# Altium PCB PCB2.PcbDoc (part 3 of 5)
Units mm, origin at the board's own origin, x right, y up, seen from the top; angles counter-clockwise.
Board outline 100 x 100 mm, 4 copper layers (Top Layer, Int1 (GND), Int2 (PWR), Bottom Layer), stack 1.605 mm thick; 304 components, 271 nets, 993 pads, 338 vias.
Unrouted connection lines stored in the file: 123.
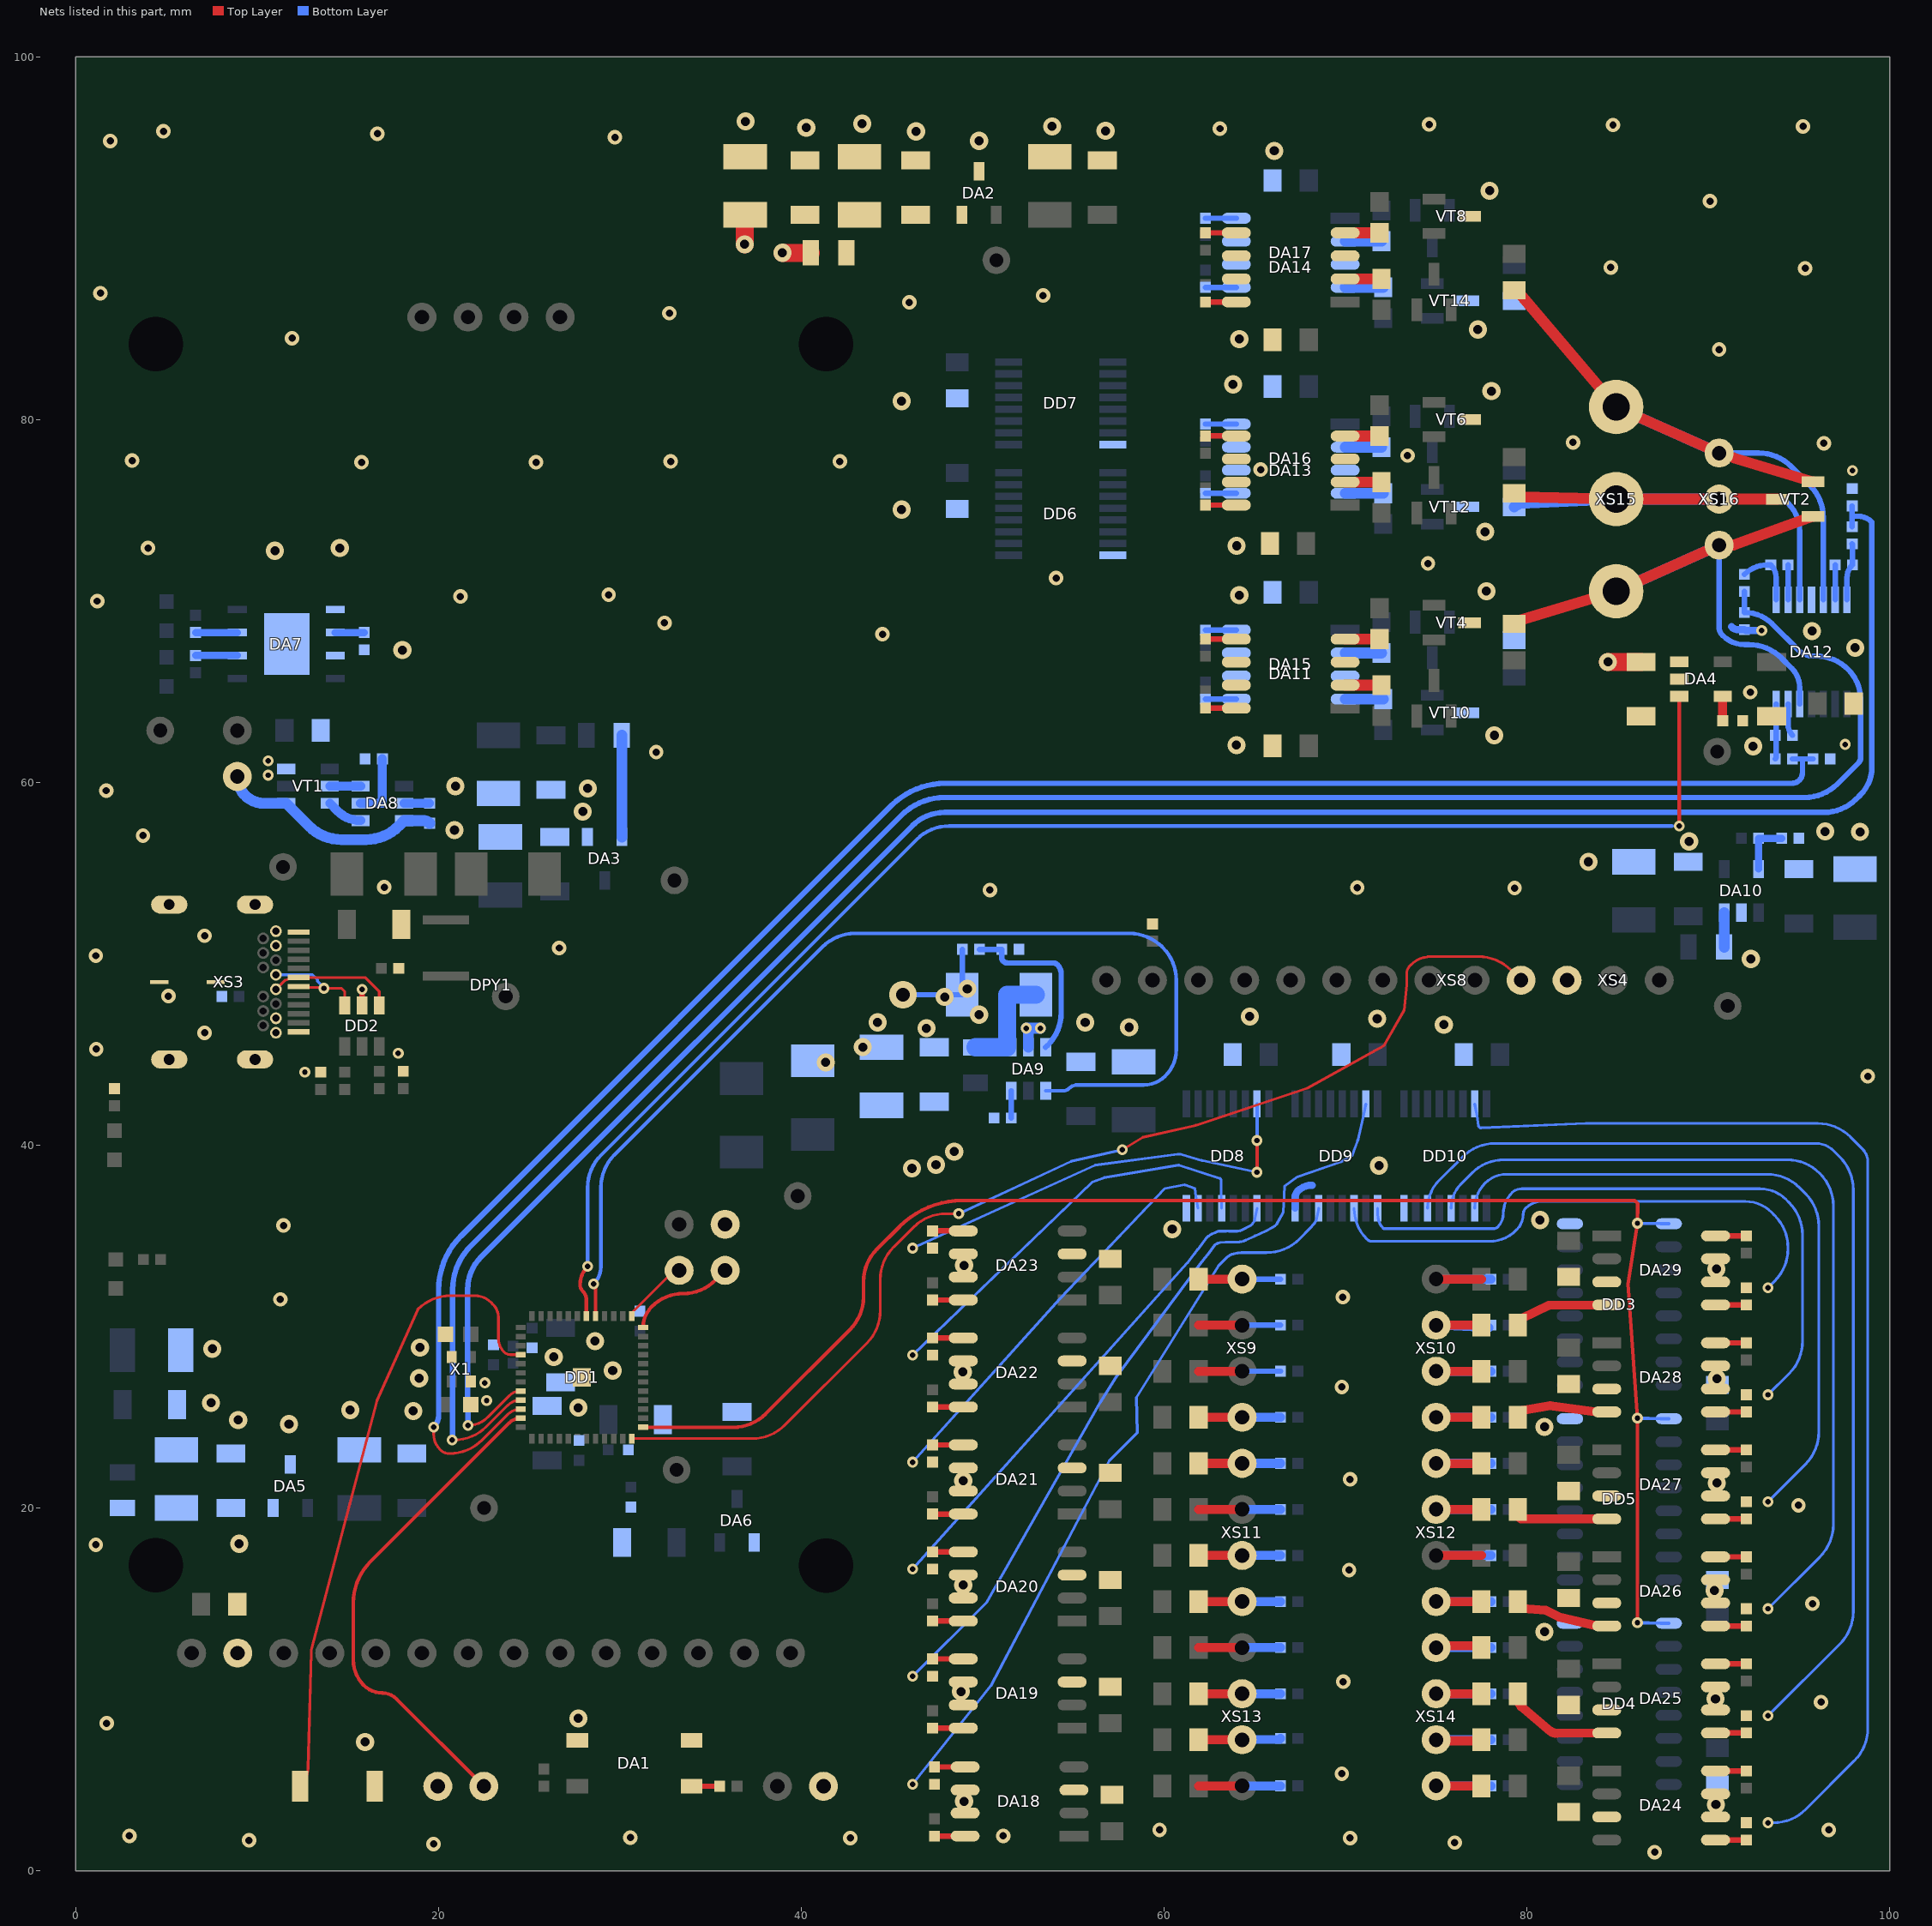
[diagram p5: the nets of this part, all layers, seen from the top]

## Via types
v1: diameter 1, hole 0.5, Top Layer to Bottom Layer, 163 vias
v2: diameter 0.6, hole 0.3, Top Layer to Bottom Layer, tented both sides, 102 vias
v3: diameter 0.8, hole 0.4, Top Layer to Bottom Layer, tented both sides, 73 vias

## Nets (pads, with @x,y where several pads share a name; then routed paths per layer and width w, separated by ;. In a path a pad name is that pad's centre, name@x,y a point inside that pad or via, vN(x,y) a via of type N, cw(c..) or ccw(c..) an arc to the next point about the centre after c; other vN are vias at no path point) (continued)
B8: DA25.4 R41.1 | length 8.2
  Top Layer w0.5: R41.1@79.435,9.431 79.685,9.056 81.308,7.69 ; DA25.4@84.406,7.595 83.906,7.595 81.634,7.573 ; 81.308,7.69 ccw(c81.63,8.073) 81.634,7.573 ; 81.308,7.69 ccw(c81.63,8.073) 81.634,7.573 ; 81.308,7.69 ccw(c81.63,8.073) 81.634,7.573 ; 81.308,7.69 ccw(c81.63,8.073) 81.634,7.573 ; 81.308,7.69 ccw(c81.63,8.073) 81.634,7.573 ; 81.308,7.69 ccw(c81.63,8.073) 81.634,7.573 ; 81.308,7.69 ccw(c81.63,8.073) 81.634,7.573 ; 81.308,7.69 ccw(c81.63,8.073) 81.634,7.573
B9: DA26.4 R37.1 | length 5.3
  Top Layer w0.5: R37.1@79.5,14.84 79.75,14.465 81.036,14.357 81.786,13.986 83.906,13.495 DA26.4@84.406,13.495
B10: DA27.4 R33.1 | length 5
  Top Layer w0.5: R33.1@79.435,19.591 79.685,19.395 DA27.4@84.406,19.395
B11: DA28.4 R29.1 | length 5.2
  Top Layer w0.5: R29.1@79.5,25 79.75,25.375 81.278,25.634 83.906,25.295 DA28.4@84.406,25.295
B12: DA29.4 R25.1 | length 5.3
  Top Layer w0.5: R25.1@79.5,30.08 79.75,30.455 81.207,31.176 83.906,31.195 DA29.4@84.406,31.195
B_IN1: DD9.6 R110.2 | length 43.3
  Bottom Layer w0.15: v2(46.135,4.771) 50.441,10.189 56.988,22.613 58.523,24.142 58.474,26.089 62.988,33.337 63.466,33.815 ; DD9.6@68.525,36.525 68.395,35.86 68.27,35.664 cw(c68.08,35.785) 68.246,35.633 68.077,35.448 67.447,34.819 ; 63.466,33.815 cw(c63.972,33.309) 63.827,34.01 ; 63.466,33.815 cw(c63.972,33.309) 63.827,34.01 ; 63.827,34.01 64.052,34.058 ; 64.052,34.058 cw(c64.083,33.911) 64.065,34.06 ccw(c64.083,33.911) 64.052,34.058 ; 64.079,34.061 ccw(c64.083,33.911) 64.066,34.06 cw(c64.083,33.911) 64.079,34.061 ; 64.079,34.061 64.081,34.061 ; 64.081,34.061 ccw(c64.03,35.785) 64.248,34.074 ; 64.081,34.061 ccw(c64.03,35.785) 64.248,34.074 ; 64.248,34.074 cw(c64.266,33.925) 64.263,34.075 ; 64.263,34.075 cw(c64.266,33.925) 64.264,34.075 ccw(c64.266,33.925) 64.263,34.075 ; 64.286,34.075 ccw(c64.286,32.48) 64.265,34.075 cw(c64.286,32.48) 64.286,34.075 ; 64.286,34.075 65.651,34.075 ; 65.651,34.075 ccw(c65.651,36.615) 67.447,34.819 ; 65.651,34.075 ccw(c65.651,36.615) 67.447,34.819
B_IN2: DD9.15 R112.2 | length 42.9
  Bottom Layer w0.15: v2(46.135,10.726) 50.21,14.786 56.475,25.825 57.353,27.204 62.058,33.539 ; 62.831,34.526 62.911,34.571 ; 63.089,34.628 63.396,34.659 cw(c63.426,34.361) 63.426,34.661 63.615,34.66 64.03,34.66 ccw(c64.03,35.785) 64.394,34.721 ; 66.126,35.549 65.651,35.286 ; 66.194,35.627 66.575,36.302 66.648,37.742 67.346,38.258 69.737,39.071 70.347,39.406 ; 70.347,39.407 70.673,40.253 ; 70.739,40.471 70.995,41.61 DD9.15@71.125,42.275 ; 62.058,33.539 cw(c63.69,32.4) 62.161,33.674 ; 62.058,33.539 cw(c63.69,32.4) 62.161,33.674 ; 62.161,33.674 62.376,33.932 ; 62.376,33.932 ccw(c61.569,34.604) 62.414,33.981 ; 62.376,33.932 ccw(c61.569,34.604) 62.414,33.981 ; 62.414,33.981 62.786,34.485 ; 62.786,34.485 cw(c62.906,34.396) 62.831,34.525 ccw(c62.906,34.396) 62.786,34.485 ; 62.911,34.571 cw(c63.134,34.18) 63.088,34.628 ccw(c63.134,34.18) 62.911,34.571 ; 64.394,34.721 ccw(c64.03,35.785) 64.502,34.764 ; 64.394,34.721 ccw(c64.03,35.785) 64.502,34.764 ; 64.502,34.764 64.506,34.765 64.999,34.995 cw(c65.127,34.723) 65.006,34.998 65.008,34.999 65.615,35.268 ; 65.615,35.268 ccw(c65.433,35.68) 65.651,35.286 ; 65.615,35.268 ccw(c65.433,35.68) 65.651,35.286 ; 70.673,40.253 ccw(c69.28,40.795) 70.739,40.47 cw(c69.28,40.795) 70.673,40.253
B_IN3: DD8.2 R114.2 | length 28.8
  Bottom Layer w0.15: v2(46.135,16.626) 61.276,33.501 61.277,33.502 ; 62.911,35.221 cw(c62.758,35.479) 62.829,35.188 ; 64.783,35.585 64.273,35.32 cw(c64.03,35.785) 64.03,35.26 63.62,35.26 cw(c63.62,35.785) 63.544,35.265 ccw(c63.5,34.969) 63.457,35.266 cw(c63.38,35.785) 63.384,35.26 63.01,35.257 ccw(c63.014,35.107) 62.938,35.237 62.912,35.222 cw(c62.758,35.479) 62.829,35.188 ; DD8.2@64.996,35.866 DD8.2@65.125,36.525 ; 61.277,33.502 ccw(c60.948,33.809) 61.305,33.536 ; 61.277,33.502 ccw(c60.948,33.809) 61.305,33.536 ; 61.305,33.536 ccw(c60.948,33.809) 61.307,33.537 61.615,33.95 ; 61.615,33.95 cw(c63.69,32.4) 61.658,34.006 ; 61.615,33.95 cw(c63.69,32.4) 61.658,34.006 ; 61.658,34.006 61.838,34.233 cw(c61.955,34.14) 61.843,34.24 61.862,34.261 ; 61.862,34.261 cw(c61.974,34.161) 61.872,34.271 ; 61.862,34.261 cw(c61.974,34.161) 61.872,34.271 ; 61.872,34.271 ccw(c61.569,34.604) 61.932,34.338 ; 61.872,34.271 ccw(c61.569,34.604) 61.932,34.338 ; 61.932,34.338 62.302,34.841 62.303,34.843 ; 62.303,34.843 cw(c62.663,34.573) 62.308,34.848 ; 62.303,34.843 cw(c62.663,34.573) 62.308,34.848 ; 62.308,34.848 62.312,34.854 ; 62.312,34.854 cw(c62.905,34.395) 62.533,35.046 ; 62.312,34.854 cw(c62.905,34.395) 62.533,35.046 ; 62.533,35.046 62.612,35.091 cw(c63.134,34.18) 62.745,35.156 62.81,35.182 ; 62.81,35.182 cw(c62.866,35.042) 62.829,35.188 ; 62.81,35.182 cw(c62.866,35.042) 62.829,35.188 ; 64.799,35.594 cw(c64.68,35.785) 64.784,35.585 ccw(c64.68,35.785) 64.799,35.594 ; 64.799,35.594 ccw(c64.68,35.785) 64.864,35.656 DD8.2@64.972,35.809 ; DD8.2@64.972,35.809 ccw(c64.849,35.895) 64.996,35.865 cw(c64.849,35.895) DD8.2@64.972,35.809
B_IN4: DD8.7 R116.2 | length 23.3
  Bottom Layer w0.15: v2(46.135,22.526) 54.274,31.549 60.04,37.613 61.132,37.817 61.708,37.608 61.745,37.19 DD8.7@61.875,36.525
B_IN5: DD8.5 R118.2 | length 22.9
  Bottom Layer w0.15: v2(46.135,28.426) 56.029,37.961 56.702,38.214 60.782,38.9 ; 60.783,38.9 cw(c60.807,38.752) 60.853,38.895 63.044,38.184 ; DD8.5@63.175,36.525 63.15,37.19 63.15,38.038 ; 63.045,38.184 cw(c62.997,38.042) 63.118,38.13 ; 63.045,38.184 cw(c62.997,38.042) 63.118,38.13 ; 63.118,38.13 63.121,38.127 ; 63.121,38.127 cw(c63,38.038) 63.15,38.038 ; 63.121,38.127 cw(c63,38.038) 63.15,38.038
B_IN6: DD8.15 R120.2 | length 26.2
  Top Layer w0.15: v2(65.125,40.26) ccw(c65.21,40.26) v2@65.15,40.2
  Top Layer w0.2: v2(65.125,38.51) v2(65.125,40.26)
  Bottom Layer w0.15: v2(46.135,34.326) 56.2,38.9 60.74,39.501 ; 62.151,39.143 v2(65.125,38.51) ; 60.74,39.501 cw(c60.818,38.906) 60.987,39.482 ; 60.74,39.501 cw(c60.818,38.906) 60.987,39.482 ; 60.74,39.501 cw(c60.818,38.906) 60.987,39.482 ; 60.74,39.501 cw(c60.818,38.906) 60.987,39.482 ; 60.74,39.501 cw(c60.818,38.906) 60.987,39.482 ; 60.74,39.501 cw(c60.818,38.906) 60.987,39.482 ; 60.74,39.501 cw(c60.818,38.906) 60.987,39.482 ; 60.74,39.501 cw(c60.818,38.906) 60.987,39.482 ; 60.987,39.482 62.088,39.159 ; 62.088,39.159 ccw(c62.325,39.968) 62.15,39.143 ; 62.088,39.159 ccw(c62.325,39.968) 62.15,39.143 ; 62.088,39.159 ccw(c62.325,39.968) 62.15,39.143 ; 62.088,39.159 ccw(c62.325,39.968) 62.15,39.143 ; 62.088,39.159 ccw(c62.325,39.968) 62.15,39.143 ; 62.088,39.159 ccw(c62.325,39.968) 62.15,39.143 ; 62.088,39.159 ccw(c62.325,39.968) 62.15,39.143 ; 62.088,39.159 ccw(c62.325,39.968) 62.15,39.143
  Bottom Layer w0.2: v2(65.125,40.26) DD8.15@65.125,42.275
B_IN7: DD10.15 R122.2 | length 70.5
  Bottom Layer w0.15: DD10.15@77.125,42.275 77.255,41.61 77.331,41.084 ccw(c77.479,41.106) 77.485,40.956 ; v2(93.3,2.645) v2@93.593,2.645 ; 77.331,41.084 ccw(c77.479,41.106) 77.485,40.956 ; 77.331,41.084 ccw(c77.479,41.106) 77.485,40.956 ; 77.331,41.084 ccw(c77.479,41.106) 77.485,40.956 ; 77.485,40.956 83.25,41.2 96.048,41.2 ; v2@93.593,2.645 ccw(c93.593,5.185) 95.389,3.389 ; v2@93.593,2.645 ccw(c93.593,5.185) 95.389,3.389 ; 95.389,3.389 98.056,6.056 ; 96.048,41.2 cw(c96.048,38.66) 97.844,40.456 ; 96.048,41.2 cw(c96.048,38.66) 97.844,40.456 ; 97.844,40.456 98.5,39.8 ; 98.056,6.056 ccw(c96.26,7.852) 98.8,7.852 ; 98.056,6.056 ccw(c96.26,7.852) 98.8,7.852 ; 98.5,39.8 cw(c97.776,39.076) 98.8,39.076 ; 98.5,39.8 cw(c97.776,39.076) 98.8,39.076 ; 98.8,7.852 98.8,39.076
B_IN8: DD10.6 R124.2 | length 60.7
  Bottom Layer w0.15: DD10.6@74.525,36.525 cw(c76.698,36.525) 75.161,38.061 76.456,39.356 cw(c78.252,37.56) 78.252,40.1 95.934,40.1 ; v2(93.3,8.545) 97.256,12.501 ; 95.934,40.1 cw(c95.934,38.734) 96.9,39.7 ; 95.934,40.1 cw(c95.934,38.734) 96.9,39.7 ; 96.9,39.7 97.256,39.344 cw(c95.46,37.548) 98,37.548 98,14.297 ; 97.256,12.501 ccw(c95.46,14.297) 98,14.297 ; 97.256,12.501 ccw(c95.46,14.297) 98,14.297
B_IN9: DD10.4 R126.2 | length 57
  Bottom Layer w0.15: v2(93.3,14.445) 96.156,17.301 ; 76.391,37.891 ccw(c77.756,36.525) DD10.4@75.825,36.525 cw(c77.756,36.525) 76.391,37.891 ; 76.391,37.891 76.956,38.456 ; 76.956,38.456 cw(c78.752,36.66) 78.752,39.2 ; 76.956,38.456 cw(c78.752,36.66) 78.752,39.2 ; 78.752,39.2 94.348,39.2 ; 94.348,39.2 cw(c94.348,36.66) 96.144,38.456 ; 94.348,39.2 cw(c94.348,36.66) 96.144,38.456 ; 96.144,38.456 96.156,38.444 ; 96.156,17.301 ccw(c94.36,19.097) 96.9,19.097 ; 96.156,17.301 ccw(c94.36,19.097) 96.9,19.097 ; 96.156,38.444 cw(c94.36,36.648) 96.9,36.648 ; 96.156,38.444 cw(c94.36,36.648) 96.9,36.648 ; 96.9,19.097 96.9,36.648
B_IN10: DD10.2 R128.2 | length 46.7
  Bottom Layer w0.15: v2(93.3,20.345) 95.356,22.401 ; 77.696,37.904 ccw(c79.075,36.525) DD10.2@77.125,36.525 cw(c79.075,36.525) 77.696,37.904 ; 77.696,37.904 cw(c78.893,36.707) 78.893,38.4 ; 77.696,37.904 cw(c78.893,36.707) 78.893,38.4 ; 78.893,38.4 93.248,38.4 ; 93.248,38.4 cw(c93.248,35.86) 95.044,37.656 ; 93.248,38.4 cw(c93.248,35.86) 95.044,37.656 ; 95.044,37.656 95.356,37.344 ; 95.356,22.401 ccw(c93.56,24.197) 96.1,24.197 ; 95.356,22.401 ccw(c93.56,24.197) 96.1,24.197 ; 95.356,37.344 cw(c93.56,35.548) 96.1,35.548 ; 95.356,37.344 cw(c93.56,35.548) 96.1,35.548 ; 96.1,24.197 96.1,35.548
B_IN11: DD9.1 R130.2 | length 45.3
  Bottom Layer w0.15: DD9.1@71.775,36.525 DD9.1@71.775,36.185 ; v2(93.3,26.245) 94.456,27.401 ; DD9.1@71.775,36.185 ccw(c72.885,36.185) 72.1,35.4 ; DD9.1@71.775,36.185 ccw(c72.885,36.185) 72.1,35.4 ; 72.1,35.4 78.159,35.4 ; 78.159,35.4 ccw(c78.159,35.741) 78.4,35.5 ; 78.159,35.4 ccw(c78.159,35.741) 78.4,35.5 ; 78.4,35.5 ccw(c77.676,36.224) 78.7,36.224 ; 78.7,36.224 cw(c80.331,36.224) 79.178,37.378 ; 78.7,36.224 cw(c80.331,36.224) 79.178,37.378 ; 79.178,37.378 cw(c79.714,36.841) 79.714,37.6 ; 79.178,37.378 cw(c79.714,36.841) 79.714,37.6 ; 79.714,37.6 92.851,37.6 ; 92.851,37.6 cw(c92.851,35.551) 94.3,37 ; 92.851,37.6 cw(c92.851,35.551) 94.3,37 ; 94.3,37 94.456,36.844 ; 94.456,27.401 ccw(c92.66,29.197) 95.2,29.197 ; 94.456,27.401 ccw(c92.66,29.197) 95.2,29.197 ; 94.456,36.844 cw(c92.66,35.048) 95.2,35.048 ; 94.456,36.844 cw(c92.66,35.048) 95.2,35.048 ; 95.2,29.197 95.2,35.048
B_IN12: DD9.3 R132.2 | length 40.4
  Bottom Layer w0.15: v2(93.3,32.145) 93.656,32.501 ; 71.182,34.818 ccw(c71.467,35.103) 71.467,34.7 ; 71.182,34.818 cw(c72.889,36.525) DD9.3@70.475,36.525 ccw(c72.889,36.525) 71.182,34.818 ; 71.182,34.818 ccw(c71.467,35.103) 71.467,34.7 ; 71.467,34.7 77.951,34.7 ccw(c77.951,36.749) 79.4,35.3 79.446,35.346 ; 79.446,35.346 ccw(c78.593,36.2) 79.8,36.2 ; 79.446,35.346 ccw(c78.593,36.2) 79.8,36.2 ; 79.8,36.2 cw(c80.283,36.2) 79.941,36.541 ; 79.8,36.2 cw(c80.283,36.2) 79.941,36.541 ; 79.941,36.541 cw(c80.807,35.676) 80.807,36.9 ; 79.941,36.541 cw(c80.807,35.676) 80.807,36.9 ; 80.807,36.9 92.051,36.9 ; 92.051,36.9 cw(c92.051,34.851) 93.5,36.3 ; 92.051,36.9 cw(c92.051,34.851) 93.5,36.3 ; 93.5,36.3 93.656,36.144 ; 93.656,32.501 ccw(c91.86,34.297) 94.4,34.297 ; 93.656,32.501 ccw(c91.86,34.297) 94.4,34.297 ; 93.656,36.144 cw(c91.86,34.348) 94.4,34.348 ; 93.656,36.144 cw(c91.86,34.348) 94.4,34.348 ; 94.4,34.297 94.4,34.348
B_M: C34.2 DA8.6 VT1.1 XS2.1 | length 19.2
  Bottom Layer w0.6: 10.38,58.85 cw(c10.38,60.33) XS2.1@8.9,60.33 ccw(c10.38,60.33) 10.38,58.85 ; 10.38,58.85 VT1.1@11.6,58.85 12.856,57.594 ; 12.856,57.594 ccw(c14.652,59.39) 14.652,56.85 ; 12.856,57.594 ccw(c14.652,59.39) 14.652,56.85 ; 14.652,56.85 15.998,56.85 ; 15.998,56.85 ccw(c15.998,59.39) 17.794,57.594 ; 15.998,56.85 ccw(c15.998,59.39) 17.794,57.594 ; 17.794,57.594 DA8.6@18.1,57.9 19.138,57.9 ; 19.138,57.9 cw(c19.138,57.388) C34.2@19.5,57.75 ccw(c19.138,57.388) 19.138,57.9
BTN: DD1.4 SA1.2 | length 38
  Top Layer w0.15: SA1.2@12.375,4.655 ccw(c11.349,5.681) 12.8,5.668 ; 16.597,25.888 13.009,12.261 ccw(c14,12) 12.975,12.028 12.8,5.67 ; DD1.4@24.525,28.45 23.962,28.45 ; 12.8,5.668 ccw(c11.349,5.681) 12.8,5.67 ; 12.8,5.668 ccw(c11.349,5.681) 12.8,5.67 ; 16.605,25.911 ccw(c16.742,25.85) 16.597,25.889 cw(c16.742,25.85) 16.605,25.911 ; 16.605,25.912 18.856,30.956 ; 18.856,30.956 cw(c20.652,29.16) 20.652,31.7 ; 18.856,30.956 cw(c20.652,29.16) 20.652,31.7 ; 20.652,31.7 22,31.7 cw(c22,30.433) 22.896,31.329 23,31.225 cw(c22.274,30.5) 23.3,30.5 23.3,29.324 ccw(c24.324,29.324) 23.6,28.6 ; 23.6,28.6 ccw(c23.962,28.962) 23.962,28.45 ; 23.6,28.6 ccw(c23.962,28.962) 23.962,28.45
CLK: DD1.37 XS1.2 | length 3.7
  Top Layer w0.15: DD1.37@30.65,30.575 cw(c31.073,30.575) 30.774,30.874 32.816,32.916 cw(c33.26,32.472) XS1.2@33.26,33.1
D_N: DD2.3 XS3.A7 XS3.B7 | length 6.5
  Top Layer w0.15: XS3.A7@12.28,48.75 12.33,48.7 13.625,48.7 v2(13.675,48.65) 14.65,48.65 14.825,48.475 DD2.3@14.825,47.7
  Bottom Layer w0.15: XS3.B7@11.03,49.4 13.05,49.4 13.319,49.131 13.319,49.037 13.675,48.681 v2(13.675,48.65)
D_P: DD2.1 XS3.A6 XS3.B6 | length 7
  Top Layer w0.15: XS3.B6@11.03,48.6 11.53,49.087 11.755,49.175 XS3.A6@12.28,49.25 15.95,49.25 16.725,48.475 DD2.1@16.725,47.7
DIO: DD1.36 XS1.1 | length 11.1
  Top Layer w0.2: XS1.1@35.8,33.1 XS1.1@35.252,32.552 ; 31.752,31.102 ccw(c32.905,29.95) DD1.36@31.275,29.95 cw(c32.905,29.95) 31.752,31.102 ; 31.752,31.102 cw(c33.497,29.358) 33.497,31.825 ; 31.752,31.102 cw(c33.497,29.358) 33.497,31.825 ; 33.497,31.825 ccw(c33.497,34.307) XS1.1@35.252,32.552 ; 33.497,31.825 ccw(c33.497,34.307) XS1.1@35.252,32.552
GND: C1.2 C2.2 C3.2 C4.2 C5.2 C6.2 C7.2 C8.2 C9.2 C10.2 C11.2 C12.2 C13.2 C14.2 C15.2 C16.2 C17.2 C18.2 C19.2 C20.2 C21.2 C22.2 C23.2 C24.2 C25.2 C26.2 C27.2 C28.2 C29.2 C30.2 C31.2 C32.2 C33.2 C35.2 C36.2 C37.2 C38.2 C39.2 C40.2 C41.2 C42.2 C43.2 C44.2 C45.2 C46.2 C47.2 C48.2 C49.2 C50.2 C51.2 C52.2 C53.2 C54.2 C55.2 C56.2 C57.2 C58.2 C59.2 C60.2 C61.2 C62.2 C63.2 C64.2 C65.2 C66.2 C67.2 C68.2 C69.2 C70.2 DA1.2 DA1.3 DA2.3 DA3.1 DA4.2 DA5.3 DA6.1 DA7.1 DA7.3 DA7.9 DA9.2 DA10.2 DA11.3 DA11.6 DA11.7 DA12.11 DA13.3 DA13.6 DA13.7 DA14.3 DA14.6 DA14.7 DA15.3 DA15.6 DA15.7 DA16.3 DA16.6 DA16.7 DA17.3 DA17.6 DA17.7 DA18.3 DA18.6 DA18.7 DA19.3 DA19.6 DA19.7 DA20.3 DA20.6 DA20.7 DA21.3 DA21.6 DA21.7 DA22.3 DA22.6 DA22.7 DA23.3 DA23.6 DA23.7 DA24.3 DA24.6 DA24.7 DA25.3 DA25.6 DA25.7 DA26.3 DA26.6 DA26.7 DA27.3 DA27.6 DA27.7 DA28.3 DA28.6 DA28.7 DA29.3 DA29.6 DA29.7 DD1.49 DD2.2 DD3.8 DD4.8 DD5.8 DD6.8 DD7.8 DD8.8 DD9.8 DD10.8 DPY1.2 R8.1 R9.1 R11.1 R12.1 R14.1 R16.2 R18.2 R19.1 R20.1 R21.1 R72.2 R85.1 R86.1 R133.2 SA1.1 VT1.3 VT4.3 VT6.3 VT8.3 VT10.3 VT12.3 VT14.3 X1.2 X1.4 XS3.A1 XS3.A12 XS3.B1 XS3.B12 XS3.GND XS3.GND1 XS3.S1 XS3.S2 XS3.S3 XS3.S4 XS3.S5 XS3.S6 XS4.3 XS17.1 XS18.1 XS19.1 | length 6.5
  Top Layer w0.15: v2@22.369,26.975 cw(c22.369,26.719) v2(22.55,26.9)
  Top Layer w0.3: DD2.2@15.775,47.7 15.775,48.05 v2(15.775,48.6)
  Bottom Layer w0.4: DD9.8@67.225,36.525 67.225,37.113 cw(c67.737,37.113) 67.375,37.475 cw(c68.16,36.69) 68.16,37.8 ; 91.283,68.583 ccw(c91.664,68.964) 91.664,68.425 R86.1@92,68.425 ccw(c92.121,68.546) 92.121,68.375 v2(92.95,68.375)
  Bottom Layer w0.6: v2(52.396,46.45) v2@52.521,46.45 ; DA9.2@52.521,45.4 v2@52.521,46.45 ; v2(53.175,46.45) v2@52.521,46.45
  other v1: 90.425,3.65 48.975,3.825 15.95,7.1 27.7,8.4 90.4,9.475 48.8,9.875 80.975,13.175 90.35,15.45 48.925,15.75 9,18.025 90.475,21.375 48.925,21.5 80.975,24.475 11.75,24.625 8.95,24.85 18.6,25.35 15.125,25.4 27.7,25.525 7.45,25.8 90.475,27.125 18.925,27.15 48.9,27.5 29.6,27.575 26.35,28.325 7.525,28.775 18.975,28.85 28.625,29.2 90.45,33.175 48.975,33.375 60.45,35.375 80.725,35.875 46.1,38.725 71.85,38.875 47.425,38.925 48.425,39.65 58.075,46.5 75.425,46.65 55.65,46.775 71.75,46.975 64.725,47.1 92.35,50.275 83.4,55.625 88.95,56.75 98.375,57.275 96.45,57.3 20.875,57.375 27.95,58.4 28.225,59.675 20.925,59.8 92.475,62 63.988,62.063 78.208,62.599 18,67.3 98.1,67.425 95.725,68.35 64.15,70.325 77.775,70.55 10.975,72.775 14.55,72.925 64,73.05 77.7,73.825 45.525,75.05 45.525,81.025 78.05,81.575 63.8,81.95 64.15,84.45 77.3,84.975 77.95,92.625 66.075,94.825 49.8,95.375 46.325,95.9 56.775,95.925 40.275,96.1 53.825,96.175 43.35,96.325 36.925,96.45
  other v2: 22.65,25.925 12.625,44.025 17.775,45.075 10.6,60.4 10.6,61.2 97.55,62.1 97.95,77.2
  other v3: 87.05,1.025 19.725,1.475 76.025,1.55 9.55,1.675 42.7,1.8 70.253,1.802 30.575,1.825 2.95,1.925 51.125,1.925 59.75,2.25 96.65,2.25 69.8,5.35 1.7,8.125 96.225,9.3 69.875,10.425 95.75,14.725 70.2,16.575 1.1,17.975 94.975,20.15 70.25,21.575 69.8,26.675 11.275,31.5 69.85,31.625 11.45,35.575 98.8,43.8 1.125,45.3 7.1,46.2 5.1,48.225 1.1,50.45 26.65,50.875 7.1,51.55 50.4,54.075 79.325,54.175 70.65,54.2 17,54.225 3.7,57.075 1.675,59.55 32,61.675 92.325,64.975 44.474,68.174 32.45,68.8 1.175,70 21.2,70.25 29.375,70.35 54.05,71.275 74.55,72.075 3.975,72.925 65.325,77.25 15.75,77.65 25.375,77.65 32.8,77.7 42.125,77.7 3.1,77.75 73.425,78.025 96.375,78.7 82.55,78.75 90.6,83.875 11.925,84.5 32.725,85.875 45.95,86.475 53.325,86.85 1.35,86.975 95.35,88.35 84.625,88.4 90.1,92.05 1.9,95.375 29.725,95.575 16.625,95.775 4.825,95.9 63.075,96.05 95.225,96.175 84.75,96.25 74.613,96.284
HV: C13.1 C18.1 C21.1 C35.1 C36.1 DA4.1 L1.1 R10.2 TP7.1 VD1.2 VD2.1 | length 10.8
  Top Layer w1: v1(36.875,89.675) 36.875,91.3 C13.1@36.9,91.3 ; v1@38.975,89.2 L1.1@40.52,89.2 ; v1(84.475,66.65) C21.1@86.3,66.65
  Bottom Layer w0.3: TP7.1@45.6,48.3 48.125,48.3 VD1.2@48.875,48.3 R10.2@48.875,50.8
  other v1: 41.34,44.568 43.386,45.411 46.9,46.45 44.2,46.775 49.8,47.2 47.9,48.175 49.15,48.625 38.953,89.208
IC_I1: R22.2 R48.1 XS9.4 | length 4.5
  Top Layer w0.5: R22.2@61.9,32.62 XS9.4@64.3,32.62
  Bottom Layer w0.3: XS9.4@64.3,32.62 R48.1@66.425,32.62
IC_I2: R49.1 | length 4.5
  Top Layer w0.5: 61.9,30.08 64.3,30.08
  Bottom Layer w0.3: 64.3,30.08 R49.1@66.425,30.08
IC_I3: R50.1 | length 4.5
  Top Layer w0.5: 61.9,27.54 64.3,27.54
  Bottom Layer w0.3: 64.3,27.54 R50.1@66.425,27.54
IC_I4: R28.1 R51.1 XS9.1 | length 4.5
  Top Layer w0.5: R28.1@61.9,25 XS9.1@64.3,25
  Bottom Layer w0.5: XS9.1@64.3,25 R51.1@66.425,25
IC_I5: R30.1 R52.1 XS11.4 | length 4.5
  Top Layer w0.5: R30.1@61.9,22.46 XS11.4@64.3,22.46
  Bottom Layer w0.5: XS11.4@64.3,22.46 R52.1@66.425,22.46
IC_I6: R53.1 | length 4.5
  Top Layer w0.5: 61.9,19.92 64.3,19.92
  Bottom Layer w0.5: 64.3,19.92 R53.1@66.425,19.92
IC_I7: R34.1 R54.1 XS11.2 | length 4.5
  Top Layer w0.5: R34.1@61.9,17.38 XS11.2@64.3,17.38
  Bottom Layer w0.5: XS11.2@64.3,17.38 R54.1@66.425,17.38
IC_I8: R36.1 R55.1 XS11.1 | length 4.5
  Top Layer w0.5: R36.1@61.9,14.84 XS11.1@64.3,14.84
  Bottom Layer w0.5: XS11.1@64.3,14.84 R55.1@66.425,14.84
IC_I9: R56.1 | length 4.5
  Top Layer w0.5: 61.9,12.3 64.3,12.3
  Bottom Layer w0.5: 64.3,12.3 R56.1@66.425,12.3
IC_I10: R40.1 R57.1 XS13.3 | length 4.5
  Top Layer w0.5: R40.1@61.9,9.76 XS13.3@64.3,9.76
  Bottom Layer w0.5: XS13.3@64.3,9.76 R57.1@66.425,9.76
IC_I11: R42.1 R58.1 XS13.2 | length 4.5
  Top Layer w0.5: R42.1@61.9,7.22 XS13.2@64.3,7.22
  Bottom Layer w0.5: XS13.2@64.3,7.22 66.375,7.25 R58.1@66.425,7.3
IC_I12: R59.1 | length 4.5
  Top Layer w0.5: 61.9,4.68 64.3,4.68
  Bottom Layer w0.5: 64.3,4.68 R59.1@66.425,4.68
IC_I13: R45.2 R60.1 XS14.1 | length 5.5
  Top Layer w0.5: XS14.1@75,4.68 R45.2@77.5,4.68
  Bottom Layer w0.5: XS14.1@75,4.68 R60.1@78.025,4.68
IC_I14: R43.2 R61.1 XS14.2 | length 6
  Top Layer w0.5: XS14.2@75.486,7.168 XS14.2@75,7.22 75.487,7.168 ccw(c75.539,7.665) 75.539,7.165 77.25,7.165 R43.2@77.5,7.22
  Bottom Layer w0.5: XS14.2@75,7.22 R61.1@78.025,7.22
IC_I15: R41.2 R62.1 XS14.3 | length 5.5
  Top Layer w0.5: XS14.3@75,9.76 R41.2@77.5,9.76
  Bottom Layer w0.5: XS14.3@75,9.76 R62.1@78.025,9.76
IC_I16: R39.2 R63.1 XS14.4 | length 6.7
  Top Layer w0.5: XS14.4@75.439,12.388 XS14.4@75,12.3 XS14.4@75.44,12.388 ; R39.2@77.5,12.3 77.25,12.398 XS14.4@75.536,12.398 ; XS14.4@75.44,12.388 cw(c75.537,11.898) XS14.4@75.536,12.398 ; XS14.4@75.44,12.388 cw(c75.537,11.898) XS14.4@75.536,12.398 ; XS14.4@75.44,12.388 cw(c75.537,11.898) XS14.4@75.536,12.398 ; XS14.4@75.44,12.388 cw(c75.537,11.898) XS14.4@75.536,12.398 ; XS14.4@75.44,12.388 cw(c75.537,11.898) XS14.4@75.536,12.398 ; XS14.4@75.44,12.388 cw(c75.537,11.898) XS14.4@75.536,12.398 ; XS14.4@75.44,12.388 cw(c75.537,11.898) XS14.4@75.536,12.398 ; XS14.4@75.44,12.388 cw(c75.537,11.898) XS14.4@75.536,12.398
  Bottom Layer w0.5: XS14.4@75,12.3 R63.1@78.025,12.3
IC_I17: R37.2 R64.1 XS12.1 | length 5.5
  Top Layer w0.5: XS12.1@75,14.84 R37.2@77.5,14.84
  Bottom Layer w0.5: XS12.1@75,14.84 R64.1@78.025,14.84
IC_I18: R65.1 | length 5.5
  Top Layer w0.5: 75,17.38 77.5,17.38
  Bottom Layer w0.5: 75,17.38 R65.1@78.025,17.38
IC_I19: R33.2 R66.1 XS12.3 | length 5.5
  Top Layer w0.5: XS12.3@75,19.92 R33.2@77.5,19.92
  Bottom Layer w0.5: XS12.3@75,19.92 R66.1@78.025,19.92
IC_I20: R31.2 R67.1 XS12.4 | length 6
  Top Layer w0.5: XS12.4@75.494,22.443 XS12.4@75,22.46 75.496,22.443 ccw(c75.512,22.943) 75.512,22.443 77.25,22.443 R31.2@77.5,22.46
  Bottom Layer w0.5: XS12.4@75,22.46 R67.1@78.025,22.46
IC_I21: R29.2 R68.1 XS10.1 | length 5.5
  Top Layer w0.5: XS10.1@75,25 R29.2@77.5,25
  Bottom Layer w0.5: XS10.1@75,25 R68.1@78.025,25
IC_I22: R27.2 R69.1 XS10.2 | length 5.5
  Top Layer w0.5: XS10.2@75,27.54 R27.2@77.5,27.54
  Bottom Layer w0.5: XS10.2@75,27.54 R69.1@78.025,27.54
IC_I23: R25.2 R70.1 XS10.3 | length 5.4
  Top Layer w0.5: XS10.3@75,30.08 R25.2@77.5,30.08
  Bottom Layer w0.5: XS10.3@75,30.08 R70.1@77.907,29.945
IC_I24: R71.1 | length 5.5
  Top Layer w0.5: 75,32.62 77.5,32.62
  Bottom Layer w0.5: 75,32.62 R71.1@78.025,32.62
NetC14_1: C14.1 C19.1 DA2.1 L1.2
NetC25_1: C25.1 DA4.4 | length 1.3
  Top Layer w0.5: C25.1@90.8,63.4 DA4.4@90.8,64.75
NetC27_1: C27.1 C30.1 DA5.1 L3.2
NetC34_1: C34.1 DA8.5 R7.2 | length 1.4
  Bottom Layer w0.5: DA8.5@18.1,58.85 C34.1@19.5,58.85
NetDA1_1: DA1.1 R2.1 | length 1.5
  Top Layer w0.3: DA1.1@33.95,4.655 R2.1@35.5,4.655
NetDA3_2: DA3.2 L2.1 | length 5.6
  Bottom Layer w0.6: DA3.2@30.105,57 L2.1@30.105,62.6
NetDA4_3: DA4.3 DD1.42 | length 88.9
  Top Layer w0.2: DD1.42@28.15,30.575 28.15,31.467 ; v2(88.4,57.6) DA4.3@88.4,64.75 ; 27.8,32.312 ccw(c28.312,32.312) 27.95,31.95 ; 27.8,32.312 cw(c29.219,32.312) v2(28.216,33.316) ccw(c29.219,32.312) 27.8,32.312 ; 27.8,32.312 ccw(c28.312,32.312) 27.95,31.95 ; 27.95,31.95 cw(c27.467,31.467) 28.15,31.467 ; 27.95,31.95 cw(c27.467,31.467) 28.15,31.467
  Bottom Layer w0.2: v2(28.216,33.316) 28.216,37.664 ; 88,57.6 48.152,57.6 ; 28.216,37.664 cw(c30.756,37.664) 28.96,39.46 ; 28.216,37.664 cw(c30.756,37.664) 28.96,39.46 ; 28.96,39.46 46.356,56.856 ; 46.356,56.856 cw(c48.152,55.06) 48.152,57.6 ; 46.356,56.856 cw(c48.152,55.06) 48.152,57.6
NetDA7_2: DA7.2 R8.2 | length 1.6
  Bottom Layer w0.4: DA7.2@14.3,68.27 R8.2@15.9,68.27
NetDA7_6: DA7.6 R6.2 | length 2.3
  Bottom Layer w0.4: R6.2@6.6,67 DA7.6@8.9,67
NetDA7_7: DA7.7 R5.2 | length 2.3
  Bottom Layer w0.4: R5.2@6.6,68.27 DA7.7@8.9,68.27
NetDA8_1: DA8.1 VT1.6 | length 2
  Bottom Layer w0.5: VT1.6@14,58.85 14.42,58.43 ccw(c15.7,59.711) DA8.1@15.7,57.9
NetDA8_2: DA8.2 R9.2 | length 3.6
  Bottom Layer w0.5: DA8.2@15.7,58.85 16.9,58.85 R9.2@16.9,61.3
NetDA8_3: DA8.3 VT1.5 | length 1.7
  Bottom Layer w0.5: VT1.5@14,59.8 DA8.3@15.7,59.8
NetDA9_1: DA9.1 L4.1 VD1.1 | length 6.2
  Bottom Layer w1: L4.1@49.6,45.4 51.342,45.4 51.342,48.3 VD1.1@52.925,48.3
NetDA9_3: DA9.3 R10.1 R12.2 | length 10.8
  Bottom Layer w0.3: R10.1@49.825,50.8 49.975,50.8 R12.2@51.046,50.8 51.046,50.341 ; DA9.3@53.471,45.4 53.581,45.51 ccw(c51.785,47.306) 54.325,47.306 54.325,49.467 ; 51.046,50.341 ccw(c51.316,50.341) 51.125,50.15 ; 51.046,50.341 ccw(c51.316,50.341) 51.125,50.15 ; 51.125,50.15 ccw(c51.366,50.391) 51.366,50.05 ; 51.125,50.15 ccw(c51.366,50.391) 51.366,50.05 ; 51.366,50.05 53.884,50.05 cw(c53.884,49.709) 54.125,49.95 ; 54.125,49.95 cw(c53.642,49.467) 54.325,49.467 ; 54.125,49.95 cw(c53.642,49.467) 54.325,49.467
NetDA9_4: DA9.4 DD1.41 | length 65.1
  Top Layer w0.2: DD1.41@28.65,30.575 v2@28.65,32.109 ; v2@28.65,32.109 ccw(c28.309,32.109) v2(28.55,32.35) cw(c28.309,32.109) v2@28.65,32.109
  Bottom Layer w0.2: v2(28.55,32.35) ccw(c27.584,33.316) 28.95,33.316 28.95,37.673 ; DA9.4@53.471,43 54.448,43 ccw(c54.448,43.427) 54.75,43.125 cw(c55.233,42.642) 55.233,43.325 58.872,43.325 ccw(c58.872,45.023) 60.072,43.822 ccw(c58.618,45.277) 60.675,45.277 60.675,49.098 ; 28.95,37.673 cw(c31.49,37.673) 29.694,39.469 ; 28.95,37.673 cw(c31.49,37.673) 29.694,39.469 ; 29.694,39.469 41.156,50.931 ; 41.156,50.931 cw(c42.952,49.135) 42.952,51.675 ; 41.156,50.931 cw(c42.952,49.135) 42.952,51.675 ; 42.952,51.675 58.098,51.675 cw(c58.098,49.135) 59.894,50.931 59.931,50.894 ; 59.931,50.894 cw(c58.135,49.098) 60.675,49.098 ; 59.931,50.894 cw(c58.135,49.098) 60.675,49.098
NetDA9_6: DA9.6 R11.2 | length 1.5
  Bottom Layer w0.3: R11.2@51.571,41.5 DA9.6@51.571,43
NetDA10_3: DA10.3 L5.1 | length 1.9
  Bottom Layer w0.6: L5.1@90.88,50.925 DA10.3@90.88,52.825
NetDA10_5: DA10.5 R13.1 R14.2 | length 3
  Bottom Layer w0.4: DA10.5@92.78,55.225 R13.1@92.78,56.925 R14.2@94.05,56.925
NetDA11_2: DA11.2 R47.2 | length 2
  Top Layer w0.6: DA11.2@69.982,65.365 R47.2@71.982,65.365
NetDA11_4: DA11.4 R88.2 | length 1.9
  Top Layer w0.6: DA11.4@69.982,67.905 R88.2@71.882,67.905
NetDA11_5: DA11.5 R87.1 | length 1.7
  Top Layer w0.3: R87.1@62.282,67.905 DA11.5@63.982,67.905
NetDA11_8: DA11.8 R46.1 | length 1.7
  Top Layer w0.3: R46.1@62.282,64.095 DA11.8@63.982,64.095
NetDA12_5: DA12.5 R75.1 R82.2 VT2.3 XS15.1 XS16.1 | length 37.7
  Top Layer w0.6: R82.2@79.3,68.745 79.625,68.945 XS15.1@84.925,70.545 XS16.1@90.6,73.085 ; 91.4,73.1 VT2.3@95.785,74.675
  Bottom Layer w0.3: XS16.1@90.6,73.085 90.6,68.583 ccw(c91.283,68.583) 90.8,68.1 ccw(c92.007,69.307) 92.007,67.6 92.248,67.6 ; DA12.5@95.05,64.325 95.05,65.214 ; 92.248,67.6 cw(c92.248,65.06) 94.044,66.856 ; 92.248,67.6 cw(c92.248,65.06) 94.044,66.856 ; 94.044,66.856 94.6,66.3 ; 94.6,66.3 cw(c93.514,65.214) 95.05,65.214 ; 94.6,66.3 cw(c93.514,65.214) 95.05,65.214
  Bottom Layer w0.6: XS15.1@84.925,70.545 XS16.1@90.6,73.085
NetDA12_6: DA12.6 R78.2 | length 1.8
  Bottom Layer w0.3: DA12.6@94.4,64.325 94.4,63.204 ccw(c95.253,63.204) R78.2@94.65,62.6
NetDA12_7: DA12.7 R78.1 R80.2 | length 3
  Bottom Layer w0.3: R80.2@93.7,61.3 ccw(c93.579,61.421) 93.75,61.421 DA12.7@93.75,64.325
NetDA12_8: DA12.8 R79.1 R81.2 | length 5.8
  Bottom Layer w0.3: DA12.8@93.75,70.075 93.75,71.276 ; R79.1@93.267,72 ccw(c93.267,70.208) R81.2@92,71.475 cw(c93.267,70.208) R79.1@93.267,72 ; R79.1@93.267,72 R79.1@93.45,72 ; R79.1@93.45,72 cw(c92.726,71.276) 93.75,71.276 ; R79.1@93.45,72 cw(c92.726,71.276) 93.75,71.276
NetDA12_9: DA12.9 R79.2 | length 1.9
  Bottom Layer w0.3: DA12.9@94.4,70.075 R79.2@94.4,72
NetDA12_10: DA12.10 R76.1 R83.2 VT2.2 XS15.2 XS16.2 | length 37.7
  Top Layer w0.6: R83.2@79.3,75.945 79.625,75.745 XS15.2@84.925,75.625 XS16.2@90.6,75.625 VT2.2@93.825,75.625
  Bottom Layer w0.3: XS16.2@90.6,75.625 93.857,75.625 ; DA12.10@95.05,70.075 95.05,73.831 ; 93.857,75.625 cw(c93.857,74.857) 94.4,75.4 ; 93.857,75.625 cw(c93.857,74.857) 94.4,75.4 ; 94.4,75.4 cw(c92.831,73.831) 95.05,73.831 ; 94.4,75.4 cw(c92.831,73.831) 95.05,73.831
  Bottom Layer w0.6: R76.1@79.3,75.19 79.625,75.39 XS15.2@84.925,75.625 XS16.2@90.6,75.625
NetDA12_12: DA12.12 R77.1 R84.2 VT2.1 XS15.3 XS16.3 | length 41.7
  Top Layer w0.6: R84.2@79.3,87.145 79.625,86.945 XS15.3@84.925,80.705 XS16.3@90.6,78.165 ; 91.4,77.9 VT2.1@95.785,76.575
  Bottom Layer w0.3: XS16.3@90.6,78.165 92.783,78.165 ; DA12.12@96.35,70.075 96.35,74.598 ; 92.783,78.165 cw(c92.783,75.625) 94.579,77.421 ; 92.783,78.165 cw(c92.783,75.625) 94.579,77.421 ; 94.579,77.421 95.606,76.394 ; 95.606,76.394 cw(c93.81,74.598) 96.35,74.598 ; 95.606,76.394 cw(c93.81,74.598) 96.35,74.598
  Bottom Layer w0.6: XS15.3@84.925,80.705 XS16.3@90.6,78.165
NetDA12_13: DA12.13 R74.1 | length 1.9
  Bottom Layer w0.3: DA12.13@97,70.075 R74.1@97,72
NetDA12_14: DA12.14 R73.1 R74.2 | length 3.2
  Bottom Layer w0.3: DA12.14@97.65,70.075 97.65,71.276 cw(c98.674,71.276) R74.2@97.95,72 97.95,73.12 ccw(c97.907,73.12) R73.1@97.938,73.15
NetDA13_2: DA13.2 R90.2 | length 2
  Top Layer w0.6: DA13.2@69.982,76.565 R90.2@71.982,76.565
NetDA13_4: DA13.4 R92.2 | length 1.9
  Top Layer w0.6: DA13.4@69.982,79.105 R92.2@71.882,79.105
NetDA13_5: DA13.5 R91.1 | length 1.7
  Top Layer w0.3: R91.1@62.282,79.105 DA13.5@63.982,79.105
NetDA13_8: DA13.8 R89.1 | length 1.7
  Top Layer w0.3: R89.1@62.282,75.295 DA13.8@63.982,75.295
NetDA14_2: DA14.2 R94.2 | length 2
  Top Layer w0.6: DA14.2@69.982,87.765 R94.2@71.982,87.765
NetDA14_4: DA14.4 R96.2 | length 1.9
  Top Layer w0.6: DA14.4@69.982,90.305 R96.2@71.882,90.305
NetDA14_5: DA14.5 R95.1 | length 1.7
  Top Layer w0.3: R95.1@62.282,90.305 DA14.5@63.982,90.305
NetDA14_8: DA14.8 R93.1 | length 1.7
  Top Layer w0.3: R93.1@62.282,86.495 DA14.8@63.982,86.495
NetDA15_2: DA15.2 R98.2 | length 2
  Bottom Layer w0.6: DA15.2@69.982,67.14 R98.2@71.982,67.14
NetDA15_4: DA15.4 R100.2 | length 2.1
  Bottom Layer w0.6: DA15.4@69.982,64.6 R100.2@72.082,64.6
NetDA15_5: DA15.5 R99.1 | length 1.7
  Bottom Layer w0.3: R99.1@62.282,64.6 DA15.5@63.982,64.6
NetDA15_8: DA15.8 R97.1 | length 1.7
  Bottom Layer w0.3: R97.1@62.282,68.41 DA15.8@63.982,68.41
NetDA16_2: DA16.2 R102.2 | length 2
  Bottom Layer w0.6: DA16.2@69.982,78.49 R102.2@71.982,78.49
NetDA16_4: DA16.4 R104.2 | length 2.1
  Bottom Layer w0.6: DA16.4@69.982,75.95 R104.2@72.082,75.95
NetDA16_5: DA16.5 R103.1 | length 1.7
  Bottom Layer w0.3: R103.1@62.282,75.95 DA16.5@63.982,75.95
NetDA16_8: DA16.8 R101.1 | length 1.7
  Bottom Layer w0.3: R101.1@62.282,79.76 DA16.8@63.982,79.76
NetDA17_2: DA17.2 R106.2 | length 2
  Bottom Layer w0.6: DA17.2@69.982,89.84 R106.2@71.982,89.84
NetDA17_4: DA17.4 R108.2 | length 2.1
  Bottom Layer w0.6: DA17.4@69.982,87.3 R108.2@72.082,87.3
NetDA17_5: DA17.5 R107.1 | length 1.7
  Bottom Layer w0.3: R107.1@62.282,87.3 DA17.5@63.982,87.3
NetDA17_8: DA17.8 R105.1 | length 1.7
  Bottom Layer w0.3: R105.1@62.282,91.11 DA17.8@63.982,91.11
NetDA18_5: DA18.5 R110.1 | length 1.7
  Top Layer w0.3: R110.1@47.335,5.721 DA18.5@49.029,5.721
NetDA18_8: DA18.8 R109.1 | length 1.7
  Top Layer w0.3: R109.1@47.335,1.911 DA18.8@49.029,1.911
NetDA19_5: DA19.5 R112.1 | length 1.7
  Top Layer w0.3: R112.1@47.235,11.676 DA19.5@48.929,11.676
NetDA19_8: DA19.8 R111.1 | length 1.7
  Top Layer w0.3: R111.1@47.235,7.866 DA19.8@48.929,7.866
NetDA20_5: DA20.5 R114.1 | length 1.7
  Top Layer w0.3: R114.1@47.235,17.576 DA20.5@48.929,17.576
NetDA20_8: DA20.8 R113.1 | length 1.7
  Top Layer w0.3: R113.1@47.235,13.766 DA20.8@48.929,13.766
NetDA21_5: DA21.5 R116.1 | length 1.7
  Top Layer w0.3: R116.1@47.235,23.476 DA21.5@48.929,23.476
NetDA21_8: DA21.8 R115.1 | length 1.7
  Top Layer w0.3: R115.1@47.235,19.666 DA21.8@48.929,19.666
NetDA22_5: DA22.5 R118.1 | length 1.7
  Top Layer w0.3: R118.1@47.235,29.376 DA22.5@48.929,29.376
NetDA22_8: DA22.8 R117.1 | length 1.7
  Top Layer w0.3: R117.1@47.235,25.566 DA22.8@48.929,25.566
NetDA23_5: DA23.5 R120.1 | length 1.7
  Top Layer w0.3: R120.1@47.235,35.276 DA23.5@48.929,35.276
NetDA23_8: DA23.8 R119.1 | length 1.7
  Top Layer w0.3: R119.1@47.235,31.466 DA23.8@48.929,31.466
NetDA24_5: DA24.5 R122.1 | length 1.7
  Top Layer w0.3: DA24.5@90.406,1.695 R122.1@92.1,1.695
NetDA24_8: DA24.8 R121.1 | length 1.7
  Top Layer w0.3: DA24.8@90.406,5.505 R121.1@92.1,5.505
NetDA25_5: DA25.5 R124.1 | length 1.7
  Top Layer w0.3: DA25.5@90.406,7.595 R124.1@92.1,7.595
NetDA25_8: DA25.8 R123.1 | length 1.7
  Top Layer w0.3: DA25.8@90.406,11.405 R123.1@92.1,11.405
NetDA26_5: DA26.5 R126.1 | length 1.7
  Top Layer w0.3: DA26.5@90.406,13.495 R126.1@92.1,13.495
NetDA26_8: DA26.8 R125.1 | length 1.7
  Top Layer w0.3: DA26.8@90.406,17.305 R125.1@92.1,17.305
NetDA27_5: DA27.5 R128.1 | length 1.7
  Top Layer w0.3: DA27.5@90.406,19.395 R128.1@92.1,19.395
NetDA27_8: DA27.8 R127.1 | length 1.7
  Top Layer w0.3: DA27.8@90.406,23.205 R127.1@92.1,23.205
NetDA28_5: DA28.5 R130.1 | length 1.7
  Top Layer w0.3: DA28.5@90.406,25.295 R130.1@92.1,25.295
NetDA28_8: DA28.8 R129.1 | length 1.7
  Top Layer w0.3: DA28.8@90.406,29.105 R129.1@92.1,29.105
NetDA29_5: DA29.5 R132.1 | length 1.7
  Top Layer w0.3: DA29.5@90.406,31.195 R132.1@92.1,31.195
NetDA29_8: DA29.8 R131.1 | length 1.7
  Top Layer w0.3: DA29.8@90.406,35.005 R131.1@92.1,35.005
NetDD1_8: DD1.8 R72.1 R73.2 | length 123.1
  Top Layer w0.15: DD1.8@24.525,26.45 ccw(c24.525,25.545) 23.885,26.185 22.7,25 ; 22.7,25 cw(c21.614,26.086) 21.614,24.55 ccw(c21.614,26.086) 22.7,25
  Bottom Layer w0.3: v2(21.614,24.55) 21.614,25.842 ; R73.2@97.938,74.1 97.938,74.68 ; R72.1@97.938,75.25 97.938,74.68 ; 21.6,25.875 cw(c21.567,25.842) 21.614,25.842 ; 21.6,25.875 cw(c21.567,25.842) 21.614,25.842 ; 21.6,25.875 21.6,32.048 ; 21.6,32.048 cw(c24.14,32.048) 22.344,33.844 ; 21.6,32.048 cw(c24.14,32.048) 22.344,33.844 ; 22.344,33.844 46.106,57.606 cw(c47.902,55.81) 47.902,58.35 96.373,58.35 ; 96.373,58.35 ccw(c96.373,60.89) 98.169,59.094 ; 96.373,58.35 ccw(c96.373,60.89) 98.169,59.094 ; 97.938,74.68 98.25,74.68 ; 98.169,59.094 98.392,59.317 ccw(c96.863,60.846) 99.025,60.846 99.025,74.359 ; 98.25,74.68 cw(c98.25,73.584) 99.025,74.359 ; 98.25,74.68 cw(c98.25,73.584) 99.025,74.359
NetDD1_9: DD1.9 R81.1 R86.2 | length 132
  Top Layer w0.15: v2(20.75,23.75) v2@20.848,23.75 ; DD1.9@24.525,25.95 ccw(c24.525,24.924) 23.799,25.649 22.644,24.494 ; v2@20.848,23.75 ccw(c20.848,26.29) 22.644,24.494 ; v2@20.848,23.75 ccw(c20.848,26.29) 22.644,24.494
  Bottom Layer w0.3: v2@20.75,23.75 ccw(c20.69,23.81) 20.775,23.81 20.775,32.048 ; R81.1@92,70.525 R86.2@92,69.375 ; 20.775,32.048 cw(c24.14,32.048) 21.761,34.427 ; 20.775,32.048 cw(c24.14,32.048) 21.761,34.427 ; 21.761,34.427 45.523,58.189 ; 45.523,58.189 cw(c47.902,55.81) 47.902,59.175 ; 45.523,58.189 cw(c47.902,55.81) 47.902,59.175 ; 47.902,59.175 95.323,59.175 ; R86.2@92,69.375 cw(c92,67.202) 93.536,68.739 ; R86.2@92,69.375 cw(c92,67.202) 93.536,68.739 ; 93.536,68.739 94.964,67.311 ; 94.964,67.311 ccw(c95.775,68.122) 95.775,66.975 ; 94.964,67.311 ccw(c95.775,68.122) 95.775,66.975 ; 95.323,59.175 ccw(c95.323,61.715) 97.119,59.919 ; 95.323,59.175 ccw(c95.323,61.715) 97.119,59.919 ; 95.775,66.975 95.923,66.975 ; 95.923,66.975 cw(c95.923,64.435) 97.719,66.231 ; 95.923,66.975 cw(c95.923,64.435) 97.719,66.231 ; 97.119,59.919 98.3,61.1 ; 97.719,66.231 cw(c96.075,64.587) 98.4,64.587 ; 97.719,66.231 cw(c96.075,64.587) 98.4,64.587 ; 98.3,61.1 ccw(c98.059,61.341) 98.4,61.341 ; 98.3,61.1 ccw(c98.059,61.341) 98.4,61.341 ; 98.4,61.341 98.4,64.587
NetDD1_10: DD1.10 R80.1 R85.2 | length 115.8
  Top Layer w0.15: v2(19.725,24.45) 19.725,24.09 ; 19.725,24.09 ccw(c20.969,24.09) 20.089,23.211 ; 19.725,24.09 ccw(c20.969,24.09) 20.089,23.211 ; 20.089,23.211 ccw(c20.598,23.719) 20.598,23 ; 20.089,23.211 ccw(c20.598,23.719) 20.598,23 ; 20.598,23 ccw(c20.598,25.54) 22.394,23.744 ; 20.598,23 ccw(c20.598,25.54) 22.394,23.744 ; 22.394,23.744 23.799,25.149 ; 23.799,25.149 cw(c24.525,24.424) DD1.10@24.525,25.45 ccw(c24.525,24.424) 23.8,25.15
  Bottom Layer w0.3: v2(19.725,24.45) ccw(c19.061,25.114) 20,25.114 20,32.027 ; R80.1@94.65,61.3 95.201,61.3 ; R85.2@95.775,61.3 95.201,61.3 ; 20,32.027 cw(c24.19,32.027) 21.227,34.99 ; 20,32.027 cw(c24.19,32.027) 21.227,34.99 ; 21.227,34.99 44.96,58.723 ; 44.96,58.723 cw(c47.923,55.76) 47.923,59.95 ; 44.96,58.723 cw(c47.923,55.76) 47.923,59.95 ; 47.923,59.95 94.602,59.95 ; 94.603,59.95 ccw(c94.603,60.547) 95.025,60.125 ; 94.603,59.95 ccw(c94.603,60.547) 95.025,60.125 ; 95.025,60.125 ccw(c94.599,60.551) 95.201,60.551 ; 95.025,60.125 ccw(c94.599,60.551) 95.201,60.551 ; 95.201,60.551 95.201,61.3
NetDD1_11: DD1.11 XS17.2 | length 33.6
  Top Layer w0.2: XS17.2@22.495,4.655 17.668,9.482 ; DD1.11@24.525,24.95 ccw(c24.525,24.045) 23.885,24.685 16.244,17.044 ; 15.3,11.614 ccw(c17.266,11.614) 15.876,10.224 ; 15.3,11.614 ccw(c17.266,11.614) 15.876,10.224 ; 15.3,11.614 15.3,14.765 ; 15.3,14.765 cw(c18.523,14.765) 16.244,17.044 ; 15.3,14.765 cw(c18.523,14.765) 16.244,17.044 ; 15.876,10.224 ccw(c16.9,11.249) 16.9,9.8 ; 15.876,10.224 ccw(c16.9,11.249) 16.9,9.8 ; 16.9,9.8 cw(c16.9,8.714) 17.668,9.482 ; 16.9,9.8 cw(c16.9,8.714) 17.668,9.482
NetDD1_24: DD1.24 XS8.1 | length 69.7
  Top Layer w0.15: DD1.24@30.65,23.825 37.298,23.825 ; v2@48.589,36.311 v2(48.675,36.225) 47.977,36.225 ; v2(57.7,39.75) 58.829,40.437 61.736,41.097 67.895,43.141 72.113,45.479 73.234,47.447 73.375,48.83 73.375,49.442 ; XS8.1@79.68,49.1 XS8.1@79.124,49.656 ; 37.298,23.825 ccw(c37.298,26.365) 39.094,24.569 ; 37.298,23.825 ccw(c37.298,26.365) 39.094,24.569 ; 39.094,24.569 43.606,29.081 ccw(c41.81,30.877) 44.35,30.877 44.35,32.598 cw(c46.89,32.598) 45.094,34.394 46.181,35.481 ; 46.181,35.481 cw(c47.977,33.685) 47.977,36.225 ; 46.181,35.481 cw(c47.977,33.685) 47.977,36.225 ; 73.375,49.442 cw(c74.058,49.442) 73.575,49.925 ; 73.375,49.442 cw(c74.058,49.442) 73.575,49.925 ; 73.575,49.925 cw(c74.722,48.778) 74.722,50.4 ; 73.575,49.925 cw(c74.722,48.778) 74.722,50.4 ; 74.722,50.4 77.328,50.4 ; 77.328,50.4 cw(c77.328,47.86) XS8.1@79.124,49.656 ; 77.328,50.4 cw(c77.328,47.86) XS8.1@79.124,49.656
  Bottom Layer w0.15: v2(48.675,36.225) 54.879,39.115 v2(57.7,39.75)
NetDD1_25: DD1.25 DD3.9 DD4.9 DD5.9 | length 95.6
  Top Layer w0.2: DD1.25@31.275,24.45 36.248,24.45 ; v2(86.1,13.675) v2(86.1,24.95) 85.578,32.347 v2(86.1,35.7) 86.115,36.696 86.115,36.778 85.948,36.95 48.868,36.95 ccw(c48.868,32.077) 45.423,35.523 44.169,34.269 ; 36.248,24.45 ccw(c36.248,26.99) 38.044,25.194 ; 36.248,24.45 ccw(c36.248,26.99) 38.044,25.194 ; 38.044,25.194 42.681,29.831 ; 42.681,29.831 ccw(c40.885,31.627) 43.425,31.627 ; 42.681,29.831 ccw(c40.885,31.627) 43.425,31.627 ; 43.425,31.627 43.425,32.473 ; 43.425,32.473 cw(c45.965,32.473) 44.169,34.269 ; 43.425,32.473 cw(c45.965,32.473) 44.169,34.269
  Bottom Layer w0.2: v2(86.1,13.675) 87.4,13.645 DD4.9@87.825,13.645 ; v2(86.1,24.95) 87.4,24.92 DD5.9@87.825,24.92 ; v2(86.1,35.7) 87.4,35.67 DD3.9@87.825,35.67